# Altium PCB uTCA_MCH_PCB3.pcbdoc (part 23 of 25) (continued)
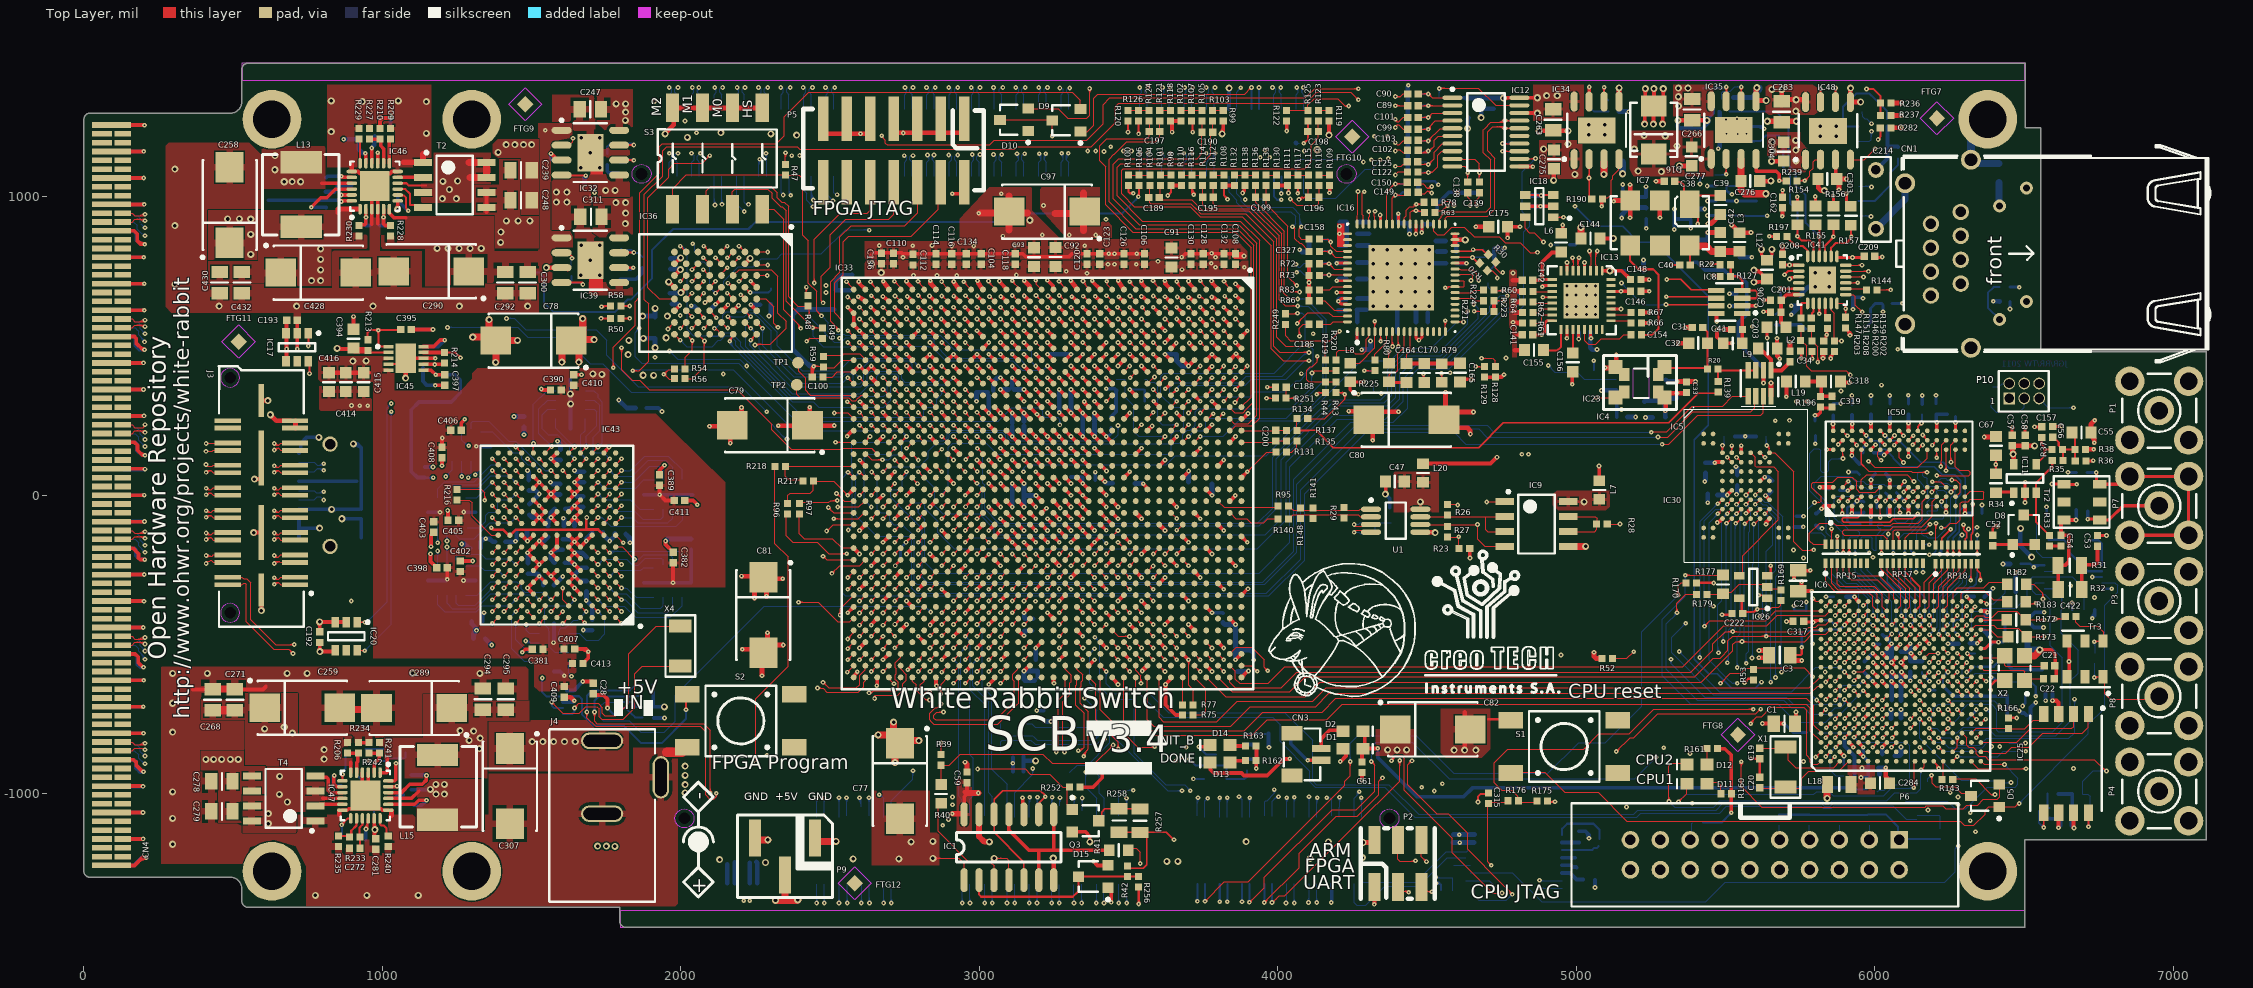
[diagram p0: Top Layer view]
## Nets (pads, with @x,y where several pads share a name; then routed paths per layer and width w, separated by ;. In a path a pad name is that pad's centre, name@x,y a point inside that pad or via, vN(x,y) a via of type N, cw(c..) or ccw(c..) an arc to the next point about the centre after c; other vN are vias at no path point) (continued)
  MidLayer3 w3.94: v1@3691.54,-844.13 3717.6,-870.2 4502.44,-870.2 4529.88,-897.64 5094.49,-897.64 5160.94,-964.09 5778.03,-964.09 ; v1@3692.91,-850.39 cw(c3692.91,-862.18) 3701.25,-853.85 ; v1@3698.82,-844.49 ccw(c3715.55,-844.49) 3703.72,-856.32 ; 5778.14,-963.99 6089.35,-963.99 6156,-897.34 6231.66,-897.34 6340.27,-788.73 v1(6340.27,-750.44) ; v1@6336.09,-754.62 cw(c6326.01,-764.7) 6340.27,-764.7 cw(c6354.53,-764.7) v1@6344.44,-754.62
SPI1.SPI1_SPCK: IC6.T6 IC33.AC18 | length 4525.5
  Top Layer w3.94: v1(2992.13,0) IC33.AC18@3011.81,19.69 ; v1@2992.13,5.91 ccw(c2992.13,20.16) 3002.21,10.08 ccw(c3012.29,0) v1@2998.03,0 ; v1@6276.3,-723.87 cw(c6276.3,-738.13) 6286.38,-728.05 cw(c6296.46,-717.97) v1@6282.2,-717.97 ; v1(6276.3,-717.97) IC6.T6@6292.05,-733.72
  MidLayer4 w3.94: v1@2986.22,0 cw(c2971.96,0) 2982.04,-10.08 cw(c2992.13,-20.16) v1@2992.13,-5.91 ; v1(2992.13,0) 2972,-20.13 2972,-50 2963,-59 2952.65,-59 2857.87,-153.78 2857.87,-208.87 2864,-215 3028.5,-215 3125.83,-312.32 3125.83,-446.57 ; 3125.59,-446.81 3125.59,-464.68 3164.49,-503.58 3164.49,-630.24 3465.35,-931.1 3698.82,-931.1 3753.94,-875.98 3966.54,-875.98 3988.19,-854.33 3988.19,-835.43 4006.89,-816.73 5263.73,-816.73 v1(5293,-846) ; v1@5287.09,-846 ccw(c5272.84,-846) 5282.92,-835.92 ccw(c5293,-825.84) v1@5293,-840.09
  MidLayer3 w3.94: v1(5293,-846) 5307.31,-831.69 5772.69,-831.69 5800,-859 5879,-859 5911,-827 5938,-827 5947,-818 5947,-774 5955,-766 6258,-766 6276.3,-747.7 v1(6276.3,-717.97) ; v1@5293,-840.09 ccw(c5293,-825.84) 5303.08,-835.92 ccw(c5313.16,-846) v1@5298.91,-846 ; v1@6272.12,-722.14 cw(c6262.04,-732.23) 6276.3,-732.23 cw(c6290.56,-732.23) v1@6280.48,-722.14
SPI_CS: IC6.U4 IC25.4 R166.1 | length 260
  Top Layer w3.94: IC6.U4@6323.54,-796.71 6338.95,-781.3 R166.1@6447.28,-781.3 ; R166.1@6447.28,-782.44 6502,-782.44 6529.99,-754.45 IC25.4@6565.59,-754.45
SPI_SCK: IC6.V3 IC25.2 | length 350.9
  Top Layer w3.94: IC6.V3@6356.52,-826.73 6475.38,-826.73 6521.93,-780.18 6660.19,-780.18 6665.59,-774.78 IC25.2@6665.59,-754.45
SPI_SI: IC6.V2 IC25.1 | length 426.1
  Top Layer w3.94: IC6.V2@6360.94,-857.73 6377.87,-857.73 6384.09,-863.95 6439.18,-863.95 6459.31,-843.82 6516.17,-843.82 6562.64,-797.35 6625.65,-797.35 6625.72,-797.42 6695.44,-797.42 6715.03,-777.83 IC25.1@6715.03,-744.14
SPI_SO: IC6.T4 P10.5 R1.2 R250.2 | length 2275.1
  Top Layer w3.94: IC6.T4@6292.05,-796.71 6307.66,-812.32 6307.66,-837.4 6313.9,-843.64 6329.06,-843.64 6339.78,-854.37 6339.78,-866.02 6348.72,-874.96 6370.3,-874.96 6380.63,-885.29 6735.54,-885.29 v1@6773.15,-922.9 ; 6762.35,-912.1 ccw(c6775.74,-898.7) v1@6775.74,-917.64 ; 6767.03,-916.78 cw(c6760.26,-923.55) v1@6769.83,-923.55 ; 6769.07,-918.82 ccw(c6775.74,-912.15) v1@6775.74,-921.58
  MidLayer1 w3.94: v1@6661.55,289.05 cw(c6651.47,278.97) 6665.73,278.97 cw(c6679.99,278.97) v1@6669.91,289.05 ; v1(6665.73,293.23) 6665.73,96.39 6770.45,-8.33 6770.45,-122.45 6763.2,-129.7 6763.2,-341.73 6784.33,-362.86 6784.33,-645.48 6775.74,-654.07 v1(6775.74,-923.55) ; v1@6771.56,-919.37 ccw(c6761.48,-909.29) 6775.74,-909.29 ccw(c6790,-909.29) v1@6779.92,-919.37
  Bottom Layer w3.94: P10.5@6550.35,324.36 6581.61,293.1 v1@6666.45,293.1 ; 6651.16,293.1 ccw(c6651.16,307.8) v1@6661.55,297.41 ; 6651.79,293.1 cw(c6651.79,279.29) v1@6661.55,289.05 ; R250.2@6721.59,-1041.35 6721.32,-1041.08 6721.32,-1009.22 6713.04,-1000.94 R1.2@6696.64,-1000.94 6696.64,-957.97 6731.71,-922.9 v1@6775.09,-922.9 ; 6759.91,-922.9 cw(c6759.91,-939.38) v1@6771.56,-927.73 ; 6763.05,-922.9 ccw(c6763.05,-910.86) v1@6771.56,-919.37
SYNC_CLK_N: IC16.25 R25.1 U1.4 | length 1275.8
  Top Layer w3.94: v1(4255.42,-123.97) 4255.42,-119.5 4256.85,-118.07 4306.43,-118.07 U1.4@4312.04,-123.68 ; IC16.25@4593.5,738.19 4610.24,738.19 4612.9,740.85 4646.84,740.85 4652.7,734.99 4652.7,722.33 4650.13,719.76 v1(4646.79,719.76)
  MidLayer3 w3.54: v1(4255.42,-123.97) 4247.72,-116.27 4209.01,-116.27 4187.07,-94.33 4187.07,-68.75 4515.02,259.2 4515.02,416.11 4591.21,492.3 4591.21,631.02 4654.96,694.77 4654.96,711.59 v1(4646.79,719.76)
  Bottom Layer w3.94: v1(4255.42,-123.97) 4271.78,-123.97 4277.01,-129.2 R25.1@4290.79,-129.2
SYNC_CLK_P: IC16.26 R24.1 U1.3 | length 1284
  Top Layer w3.94: v1(4255.42,-97.79) 4255.42,-102.27 4256.85,-103.7 4306.43,-103.7 U1.3@4312.04,-98.09 ; IC16.26@4593.5,757.87 4610.24,757.87 4612.9,755.22 4652.8,755.22 4667.07,740.94 4667.07,722.33 4669.64,719.76 v1(4672.98,719.76)
  MidLayer3 w3.54: v1(4255.42,-97.79) 4246.78,-106.43 4213.09,-106.43 4196.91,-90.25 4196.91,-72.83 4524.86,255.12 4524.86,412.03 4601.05,488.22 4601.05,626.94 4664.81,690.7 4664.81,711.59 v1(4672.98,719.76)
  Bottom Layer w3.94: v1(4255.42,-97.79) 4270.33,-97.79 4276.77,-91.35 R24.1@4290.55,-91.35
SYNC_DATA_N: R29.1 R95.2 R141.2 R148.1 U1.1 | length 283.7
  Top Layer w3.94: R95.2@4036.14,-36.23 4050.83,-50.93 4272.58,-50.93 4276.6,-46.9 U1.1@4312.04,-46.9
SYNC_DATA_P: R29.2 R140.2 R141.1 R148.2 U1.2 | length 285
  Top Layer w3.94: R140.2@4036.14,-79.99 4050.83,-65.3 4269.4,-65.3 4276.6,-72.49 U1.2@4312.04,-72.49
SYST_MON_N0: C200.1 IC33.A14 R135.1 | length 150.6
  Top Layer w3.94: IC33.A14@3877.95,177.17 C200.1@3992.13,177.17 ; C200.1@3993.11,182.09 R135.1@4029.53,182.09
SYST_MON_N1: C198.1 IC33.G10 R123.1 | length 2523.1
  Top Layer w3.94: v1@4100.15,446.61 ccw(c4090.07,436.53) 4090.07,450.79 ccw(c4090.07,465.04) v1@4100.15,454.96 ; v1(4104.32,450.79) 4017.72,450.79 3978.35,490.16 3978.35,835.38 3880.66,933.07 3739.44,933.07 3705.98,966.54 3519.55,966.54 3476.38,1009.71 3476.38,1088.3 3482.56,1094.49 4089.37,1094.49 4112.2,1117.32 4112.2,1173.23 4135.83,1196.85 4135.83,1242.13
  Top Layer w4.92: IC33.G10@3641.73,334.65 v1(3661.42,354.33) ; v1@3656,354.33 cw(c3642.93,354.33) 3652.18,345.09 cw(c3661.42,335.85) v1@3661.42,348.92
  Bottom Layer w3.94: v1(3661.42,354.33) 3661.42,360.24 3669.29,368.11 ; v1@3663.25,355.06 cw(c3670.85,358.09) 3665.06,363.88 ; v1@3666.9,356.52 cw(c3676.9,360.5) 3669.29,368.11 ; v1@4100.04,446.72 ccw(c4090.55,437.68) 4090.55,450.79 ; v1@4100.04,454.86 cw(c4090.55,463.89) 4090.55,450.79 ; v1(4104.32,450.79) 4090.55,450.79 ; 3669.29,368.11 3891.12,368.11 3911.14,388.13 4027.89,388.13 4090.55,450.79
SYST_MON_N2: C195.1 IC33.E14 R112.1 | length 1553.7
  Top Layer w3.94: IC33.E14@3720.47,177.17 v1(3740.16,196.85) ; v1@3734.25,196.85 cw(c3719.99,196.85) 3730.08,186.77 cw(c3740.16,176.69) v1@3740.16,190.94 ; R112.1@3783.46,1037.4 3783.46,976.38 3789.37,970.47 3904.17,970.47 ; 3904.27,970.57 3919.11,970.57 4013.78,875.9 4013.78,683.07 4039.37,657.48 v1(4066.93,657.48) ; v1@4062.75,653.3 ccw(c4052.67,643.22) 4052.67,657.48 ccw(c4052.67,671.74) v1@4062.75,661.66
  Bottom Layer w3.94: v1(3740.16,196.85) 3816.97,196.89 3869.09,249.02 4061.31,249.02 4161.42,349.13 4161.42,588.72 4092.66,657.48 v1(4066.93,657.48) ; v1@3744.33,192.67 cw(c3754.51,182.5) 3754.51,196.89 ; v1@3744.33,201.03 ccw(c3754.32,211.01) 3754.32,196.89 ; v1@4071.1,653.3 cw(c4081.19,643.22) 4081.19,657.48 cw(c4081.19,671.74) v1@4071.1,661.66
SYST_MON_N3: C189.1 IC33.F11 R101.1 | length 1599.8
  Top Layer w3.94: C189.1@3606.3,998.03 R101.1@3606.3,1037.4 ; C189.1@3608.27,989.77 3711.02,989.77 3748.03,952.76 3902.03,952.76 3996.06,858.73 3996.06,529.53 4025.59,500 v1@4102.36,500 ; IC33.F11@3681.1,295.28 v1(3700.79,314.96) ; v1@3694.88,314.96 cw(c3680.63,314.96) 3690.71,304.88 cw(c3700.79,294.8) v1@3700.79,309.06 ; 4085.32,500 ccw(c4085.32,520.98) v1@4100.15,506.14 ; v1@4100.15,497.79 ccw(c4094.83,492.46) 4094.83,500 ccw(c4094.83,511.47) v1@4102.94,503.36
  Bottom Layer w3.94: v1(3700.79,314.96) 3716.54,330.71 3906.75,330.71 3922.17,346.13 4023.63,346.13 4061.51,384.01 4074.75,384.01 4092.52,401.77 4092.52,409.45 4118.11,435.04 4118.11,488.19 v1(4104.33,501.97) ; v1@3700.79,320.87 ccw(c3700.79,335.12) 3710.87,325.04 ccw(c3720.95,314.96) v1@3706.69,314.96 ; v1@4104.33,496.06 cw(c4104.33,481.81) 4114.41,491.89 cw(c4124.49,501.97) v1@4110.24,501.97
SYST_MON_N4: C199.1 IC33.J12 R133.1 | length 1297
  Top Layer w3.94: IC33.J12@3562.99,255.91 v1@3582.68,275.59 ; 3571.19,264.11 ccw(c3557.74,277.56) v1@3576.76,277.56 ; 3575.96,268.87 cw(c3582.67,262.16) v1@3582.67,271.65 ; 3577.91,270.83 ccw(c3571.18,277.56) v1@3580.7,277.56 ; 3960.63,974.01 R133.1@3960.63,1037.4 ; 3960.72,974.43 4033.46,901.69 4033.46,732.28 v1(4062.99,702.76) ; v1@4057.09,702.76 ccw(c4042.83,702.76) 4052.91,712.84 ccw(c4062.99,722.92) v1@4062.99,708.66
  MidLayer4 w3.94: v1@3582.67,279.53 ccw(c3582.67,289.05) 3589.4,282.32 ; v1@3582.67,283.46 ccw(c3582.67,302.49) 3596.12,289.04 ; v1@3582.68,275.59 3604.76,297.68 3879.68,297.68 3918.38,336.38 3918.38,377.46 4031.5,490.58 4031.5,671.26 v1(4062.99,702.76) ; v1@3588.58,277.56 cw(c3598.06,277.56) 3591.35,284.27 ; v1@4057.09,702.76 cw(c4042.83,702.76) 4052.91,692.67 cw(c4062.99,682.59) v1@4062.99,696.85
  other v1: 3582.67,277.56
SYST_MON_N5: C197.1 IC33.B11 R121.1 | length 1558.2
  Top Layer w3.94: 3450.86,1141.73 3434.68,1125.55 3434.68,982.76 3523.94,893.5 3864.64,893.5 3919.78,838.36 3919.78,312.51 3894.68,287.41 3894.09,287.41 3883.37,276.7 3855.19,276.7 IC33.B11@3838.58,293.31 ; 3451.18,1141.73 3468.5,1159.05 ; 3468.5,1159.25 3494.29,1185.04 3588.58,1185.04 3604.33,1200.79 R121.1@3604.33,1242.13
SYST_MON_N6: C196.1 IC33.F13 R113.1 | length 1609
  Top Layer w3.94: IC33.F13@3681.1,216.54 v1(3700.79,236.22) ; v1@3694.88,236.22 cw(c3680.62,236.22) 3690.71,226.14 cw(c3700.79,216.06) v1@3700.79,230.31 ; v1@4041.54,986.27 cw(c4041.54,972.01) 4051.62,982.09 cw(c4061.7,992.17) v1@4047.44,992.17 ; v1(4041.54,992.17) 4062.88,970.83 4131.3,970.83 4137.44,976.97 C196.1@4137.44,989.49 ; C196.1@4137.8,998.03 R113.1@4137.8,1037.4
  MidLayer4 w3.94: v1@3694.88,236.22 ccw(c3680.62,236.22) 3690.71,246.3 ccw(c3700.79,256.38) v1@3700.79,242.13 ; v1(3700.79,236.22) 3686.46,250.55 3504.06,250.55 3479.33,275.28 3479.33,387.95 3588.03,496.65 3821.84,496.65 3866,540.82 3866,572 3878,584 3878,713 3866,725 3866,817.32 3997.18,948.5 3997.18,948.78 v1@4039.54,991.14 ; 4029.81,981.41 cw(c4041.54,969.69) v1@4041.54,986.27 ; 4032.13,983.73 ccw(c4023.69,992.17) v1@4035.63,992.17
SYST_MON_N7: C190.1 IC33.B13 R103.1 | length 1789.6
  Top Layer w3.94: C190.1@3775.08,1218.82 3775.08,1141.42 3744.32,1110.67 3472.95,1110.67 3461.67,1099.39 3461.67,1002.65 3546.21,918.11 3874.66,918.11 3938.98,853.79 3938.98,288.49 ; C190.1@3781.5,1216.54 3781.5,1242.13 ; IC33.B13@3838.58,216.54 3842.83,216.54 3858.6,232.31 3868.14,232.31 3887.74,232.28 3913.1,232.31 3938.98,258.19 3938.98,295.28
SYST_MON_P0: C200.2 IC33.A13 R137.1 | length 141.7
  Top Layer w3.94: IC33.A13@3881.89,216.54 C200.2@3988.19,216.54 ; C200.2@3993.11,217.52 R137.1@4028.54,217.52
SYST_MON_P1: C198.2 IC33.H10 R125.1 | length 1641
  Top Layer w3.94: v1@3582.09,348.43 cw(c3582.09,334.83) 3591.7,344.44 ; v1(3582.09,354.33) 3582.09,354.06 IC33.H10@3602.95,333.19 ; v1@3587.99,354.33 ccw(c3602.91,354.33) 3592.36,343.78
  Top Layer w6.89: v1@4086.61,1183.56 ccw(c4086.61,1199.02) 4097.54,1188.09 ; v1@4088.58,1179.13 4100.39,1190.95 R125.1@4100.39,1252.76
  MidLayer1 w3.94: v1@3576.18,354.33 cw(c3561.92,354.33) 3572.01,344.25 cw(c3582.09,334.17) v1@3582.09,348.43 ; v1(3582.09,354.33) 3562.76,335 3490,335 3478.35,346.65 3478.35,445.35 3490.48,457.48 3881.48,457.48 4035,611 4035,913 4111,989 4111,1154.74 v1(4086.61,1179.13) v1@4087.01,1179.53 ; v1@3582.09,354.61 v1@3584.69,354.61 ; v1@4086.61,1173.23 cw(c4086.61,1158.97) 4096.69,1169.05 cw(c4106.77,1179.13) v1@4092.51,1179.13
SYST_MON_P2: C195.2 IC33.F14 R114.1 | length 1612.3
  Top Layer w3.94: IC33.F14@3681.1,177.17 v1(3700.79,196.85) ; v1@3694.88,196.85 cw(c3680.63,196.85) 3690.71,186.77 cw(c3700.79,176.69) v1@3700.79,190.94 ; C195.2@3748.03,998.03 3748.03,972.44 3759.84,960.63 3912.69,960.63 4003.94,869.38 4003.94,655.51 4024.61,634.84 v1@4065.95,634.84 ; C195.2@3748.03,1000 R114.1@3748.03,1037.4 ; 4050.31,634.84 cw(c4050.31,617.24) v1@4062.75,629.68 ; 4055.04,634.84 ccw(c4055.04,645.75) v1@4062.75,638.03
  Bottom Layer w3.94: v1(3700.79,196.85) 3719.94,216 3749,216 3759,226 3759,249 3767.87,257.87 4027.77,257.87 4151.57,381.68 4151.57,478.49 ; v1@3700.79,202.76 ccw(c3700.79,217.01) 3710.87,206.93 ccw(c3720.95,196.85) v1@3706.69,196.85 ; v1(4066.93,633.86) 4102.36,633.86 4151.57,584.65 4151.57,478.49 ; v1@4071.1,629.68 cw(c4081.19,619.6) 4081.19,633.86 cw(c4081.19,648.12) v1@4071.1,638.03
SYST_MON_P3: C189.2 IC33.G11 R104.1 | length 1762.2
  Top Layer w3.94: R104.1@3570.87,1037.4 3570.87,980.31 3574.8,976.38 3708.66,976.38 3726.38,958.66 ; IC33.G11@3641.73,295.28 v1(3661.42,314.96) ; v1@3655.51,314.96 cw(c3641.25,314.96) 3651.34,304.88 cw(c3661.42,294.8) v1@3661.42,309.06 ; 3722.44,962.6 3742.13,942.91 3892.55,942.91 3986.22,849.24 3986.22,500 4006.4,479.82 v1@4102.85,479.82 ; 4086.51,479.82 cw(c4086.51,460.52) v1@4100.15,474.17 ; 4093.64,479.82 ccw(c4093.64,489.04) v1@4100.15,482.52 ; 4096.01,479.82 cw(c4096.01,470.03) v1@4102.94,476.95
  Bottom Layer w3.94: 3647.98,326.43 ccw(c3661.42,339.88) v1@3661.42,320.87 ; 3652.73,321.68 cw(c3646.01,314.96) v1@3655.51,314.96 ; 3654.7,319.71 ccw(c3661.42,326.43) v1@3661.42,316.93 ; v1@3657.48,316.93 3637.8,336.61 3637.8,360.24 3654.53,376.97 3872.86,376.97 3894.63,398.74 4014.88,398.74 4094.49,478.35 ; 4077.45,461.31 cw(c4104.33,434.42) v1@4104.33,472.44 ; 4084.17,468.03 cw(c4104.33,447.86) v1@4104.33,476.38 ; 4090.89,474.75 cw(c4104.33,461.31) v1@4104.33,480.31 ; v1@4099.12,475.57 ccw(c4094.49,473.1) 4094.49,478.35 ; v1@4099.12,481.13 cw(c4094.49,483.59) 4094.49,478.35 ; v1(4104.33,478.35) 4094.49,478.35
SYST_MON_P4: C199.2 IC33.H12 R136.1 | length 1301.6
  Top Layer w3.94: IC33.H12@3602.36,255.91 v1(3622.05,275.59) ; v1@3616.14,275.59 cw(c3601.88,275.59) 3611.97,265.51 cw(c3622.05,255.43) v1@3622.05,269.69 ; R136.1@3925.2,1037.4 C199.2@3925.2,998.03 3925.2,981.01 4021.65,884.56 4021.65,700.79 4041.34,681.1 v1(4072.83,681.1) ; v1@4068.66,676.93 ccw(c4058.58,666.85) 4058.58,681.1 ccw(c4058.58,695.36) v1@4068.66,685.28
  MidLayer4 w3.94: v1(3622.05,275.59) 3635.16,288.7 3890.03,288.7 3936.91,335.58 3936.91,373.44 4045.28,481.81 4045.28,655.56 v1@4070.81,681.1 ; v1@3622.05,281.5 ccw(c3622.05,295.75) 3632.13,285.67 ccw(c3642.21,275.59) v1@3627.95,275.59 ; 4059.3,669.59 cw(c4072.83,656.06) v1@4072.83,675.2 ; 4064.18,674.47 ccw(c4057.55,681.1) v1@4066.93,681.1 ; 4066.02,676.31 cw(c4072.83,669.5) v1@4072.83,679.13
SYST_MON_P5: C197.2 IC33.A11 R124.1 | length 1518.6
  Top Layer w3.94: 3403.35,1143.5 3403.35,1120.6 3423.03,1100.92 3423.03,972.64 3514.17,881.5 3859.32,881.5 3911.42,829.4 3911.42,329.13 IC33.A11@3877.95,295.67 ; 3403.71,1143.87 3403.71,1171.43 3427.17,1194.88 3562.99,1194.88 3568.9,1200.79 C197.2@3568.9,1208.66 ; C197.2@3568.9,1220.47 R124.1@3568.9,1251.97
SYST_MON_P6: C196.2 IC33.E13 R115.1 | length 1572
  Top Layer w3.94: IC33.E13@3720.47,216.54 v1@3740.15,236.21 ; IC33.E13@3726.72,222.78 cw(c3740.15,209.35) v1@3740.15,228.35 ; 3731.46,227.52 ccw(c3724.72,234.25) v1@3734.24,234.25 ; 3733.44,229.5 cw(c3740.15,222.8) v1@3740.15,232.28 ; v1@4069.67,992.58 cw(c4082.83,979.43) 4082.83,998.03 ; v1(4071.06,991.19) 4077.91,998.03 ; v1@4072.46,989.8 cw(c4092.33,969.92) C196.2@4092.33,998.03 ; v1@4072.87,996.81 ccw(c4074.39,1001.55) 4077.91,998.03 ; v1@4075.24,987.01 cw(c4101.84,960.42) C196.2@4101.84,998.03 ; v1@4076.69,993 cw(c4081.42,994.52) 4077.91,998.03 ; R115.1@4102.36,1037.4 C196.2@4102.36,998.03 4077.91,998.03
  MidLayer4 w3.94: v1@3734.24,234.25 ccw(c3719.99,234.25) 3730.07,244.33 ccw(c3740.15,254.41) v1@3740.15,240.16 ; v1(3740.15,234.25) 3712,262.4 3538.4,262.4 3518.7,282.1 3518.7,387.19 3618.4,486.89 3832.89,486.89 3842,496 3866,496 3878,508 3878,562 3894.69,578.69 3894.69,734.66 3921.08,761.05 3921.08,806.81 4053.87,939.6 4053.87,974 v1(4071.06,991.19) ; v1@4065.16,991.19 cw(c4050.9,991.19) 4060.98,981.11 cw(c4071.06,971.03) v1@4071.06,985.28
SYST_MON_P7: C190.2 IC33.B12 R105.1 | length 1763.7
  Top Layer w3.94: C190.2@3744.53,1209.29 3744.53,1143.35 3729.13,1127.95 3466.81,1127.95 3448.17,1109.31 3448.17,992.7 3535.4,905.47 3868.38,905.47 3929.13,844.72 3929.13,292.57 ; C190.2@3746.06,1219.1 R105.1@3746.06,1253.94 ; IC33.B12@3838.58,255.91 3854.33,240.16 3855.31,240.16 ; 3855.34,240.18 3871.4,240.18 ; 3871.43,240.16 3884.48,240.16 ; 3884.5,240.18 3900.62,240.18 3929.13,268.7 3929.13,301.18
TX_CLK: IC6.N6 R144.1 | length 2524.3
  Top Layer w3.94: R144.1@6006.93,687.99 v1(6053,688) ; 6038.72,687.99 ccw(c6038.72,702.28) v1@6048.82,692.18 ; 6038.76,687.99 cw(c6038.76,673.76) v1@6048.82,683.82 ; v1@6181.81,-723.87 cw(c6181.81,-738.13) 6191.89,-728.05 cw(c6201.97,-717.97) v1@6187.72,-717.97 ; v1(6181.81,-717.97) IC6.N6@6197.56,-733.72
  MidLayer1 w3.94: v1(6181.81,-717.97) 6227.09,-672.69 6268.43,-672.69 6286.14,-690.41 6501.59,-690.41 6544.88,-647.12 6729.84,-647.12 6766.51,-610.45 6766.51,-406.55 6709.98,-350.02 6709.98,-336.58 6676.32,-302.92 v1(6655.81,-302.92) ; v1@6181.81,-712.06 ccw(c6181.81,-697.81) 6191.89,-707.89 ccw(c6201.97,-717.97) v1@6187.72,-717.97
  MidLayer4 w3.94: v1@6048.82,683.82 cw(c6038.74,673.74) 6053,673.74 cw(c6067.26,673.74) v1@6057.18,683.82 ; v1(6053,688) 6053,547.02 6330.76,269.26 6529.66,269.26 6623.75,175.17 6623.75,-234.57 6655.81,-266.63 v1(6655.81,-302.92)
TX_EN: IC6.M6 IC41.16 | length 2866.8
  Top Layer w3.94: IC41.16@5902.56,731.23 v1(5962,731.23) ; v1@5957.82,727.05 ccw(c5947.74,716.97) 5947.74,731.23 ccw(c5947.74,745.48) v1@5957.82,735.4 ; v1@6150.31,-723.87 cw(c6150.31,-738.13) 6160.4,-728.05 cw(c6170.48,-717.97) v1@6156.22,-717.97 ; v1(6150.31,-717.97) IC6.M6@6166.06,-733.72
  MidLayer2 w3.94: v1@5962,725.32 cw(c5962,711.07) 5972.08,721.15 cw(c5982.16,731.23) v1@5967.91,731.23 ; v1(5962,731.23) 5995,698.23 5995,474 6047,422 6391,422 6409,440 6704,440 6774,370 6774,-81 6728,-127 6728,-165 6744,-181 6744,-334.61 ; v1@6735.91,-342.7 6744,-334.61 ; v1@6737.02,-336.87 ccw(c6738.3,-328.91) 6744,-334.61 ; v1@6741.88,-341.57 cw(c6749.47,-340.08) 6744,-334.61
  MidLayer3 w3.94: v1@6150.31,-723.87 cw(c6150.31,-738.13) 6160.4,-728.05 cw(c6170.48,-717.97) v1@6156.22,-717.97 ; v1(6150.31,-717.97) 6166.04,-733.69 6250.81,-733.69 6260.39,-724.11 6260.39,-701.46 6268.23,-693.62 6268.42,-693.62 6289.09,-672.95 6289.09,-649.25 6297.84,-640.5 ; 6298.35,-640.2 6485.4,-640.2 6593.05,-532.55 6593.05,-486.56 v1@6736.74,-342.87 ; 6725.41,-354.2 ccw(c6713.91,-342.7) v1@6730.17,-342.7 ; 6727.42,-352.19 cw(c6736.08,-360.86) v1@6736.08,-348.61
  other v1: 6736.08,-342.7
TXD0: IC41.17 R142.2 | length 3118
  Top Layer w3.94: IC41.17@5902.56,750.91 5978.09,750.91 v1(5979,750) ; 5962.54,750.91 cw(c5962.54,733.54) v1@5974.82,745.82 ; 5966.95,750.91 ccw(c5966.95,762.05) v1@5974.82,754.18
  MidLayer2 w3.94: v1@5979,744.09 cw(c5979,729.84) 5989.08,739.92 cw(c5999.16,750) v1@5984.91,750 ; v1(5979,750) 6014,715 6014,476 6055,435 6383.01,435 6401,452.99 6705.01,452.99 6785,373 6785,-86 6740,-131 6740,-158 6757,-175 6757,-974 6735,-996 6488.22,-996 v1@6456.02,-963.8 ; v1@6456.18,-968.46 cw(c6456.18,-979.31) 6463.85,-971.63 ; v1@6462.09,-962.55 ccw(c6479.75,-962.55) 6467.26,-975.04
  Bottom Layer w3.94: 6392.44,-956.16 R142.2@6355.04,-956.16 6411.11,-956.16 6418.15,-963.2 v1@6453.15,-963.2 ; 6440.35,-963.2 ccw(c6440.35,-946.72) v1@6452,-958.37 ; 6443.49,-963.2 cw(c6443.49,-975.24) v1@6452,-966.73
  other v1: 6456.18,-962.55
TXD1: IC41.18 R143.2 | length 3208.6
  Top Layer w3.94: IC41.18@5902.56,770.6 5956.6,770.6 v1(5957,771) ; 5941.77,770.6 ccw(c5941.77,786.23) v1@5952.82,775.18 ; 5943.71,770.6 cw(c5943.71,757.71) v1@5952.82,766.82 ; R143.2@6263.49,-950.21 6337.49,-950.21 6390.42,-1003.14 ; v1@6397.6,-999.44 cw(c6390.42,-994.32) 6390.42,-1003.14 ; v1@6397.86,-1006.64 ccw(c6390.42,-1012.81) 6390.42,-1003.14 ; v1@6401.46,-999.81 6398.13,-1003.14 6390.42,-1003.14
  MidLayer2 w3.94: v1(5957,771) 5976.1,771 6039.8,707.3 6039.8,484.2 6076,448 6377,448 6394.36,465.36 6709.64,465.36 6795,380 6795,-91 6751,-135 6751,-152 6772.28,-173.28 6772.28,-336.41 6795.07,-359.2 6795.07,-951.93 6740,-1007 6463,-1007 6459.14,-1003.14 6404.31,-1003.14 v1@6402.6,-1001.43 ; v1@6406.59,-1007.05 cw(c6416.02,-1016.48) 6416.02,-1003.14 ; v1@6406.59,-998.69 ccw(c6417.32,-987.96) 6417.32,-1003.14
  other v1: 6402.41,-1002.87
TXFD1_N: CN4.15 IC33.T34 | length 4029.9
  Top Layer w3.94: CN4.15@129.92,-826.77 161.41,-826.77 170.71,-836.07 199.31,-836.07 v1(204.72,-830.65) ; 177.4,-836.07 ccw(c177.4,-803.33) v1@200.55,-826.48 ; 186.9,-836.07 ccw(c186.9,-812.83) v1@203.33,-829.26 ; 196.41,-836.07 ccw(c196.41,-822.34) v1@206.12,-832.05 ; v1@3253.69,-856.06 ccw(c3228.28,-830.64) 3264.22,-830.64 ; v1@3256.48,-858.84 ccw(c3237.78,-840.15) 3264.22,-840.15 ; v1(3257.87,-860.23) 3264.22,-853.88 ; v1@3259.26,-861.63 ccw(c3247.29,-849.65) 3264.22,-849.65 ; v1@3260.05,-854.75 ccw(c3261.48,-851.14) 3264.22,-853.88 ; v1@3263.18,-860.24 v1@3263.18,-856.11 ; v1@3263.36,-858.06 cw(c3266.96,-856.63) 3264.22,-853.88 ; IC33.T34@3287.4,-610.24 3287.4,-663.38 3264.22,-686.56 3264.22,-853.88
  MidLayer4 w3.94: v1@206.12,-829.26 ccw(c218.6,-816.78) 218.6,-834.43 ; v1@208.5,-834.43 285.62,-834.43 413.79,-962.6 661.42,-962.6 866.14,-1167.32 1157.99,-1167.32 1227.32,-1098 1406.7,-1098 1560.2,-1251.5 2362.74,-1251.5 2537.97,-1076.27 2633.8,-1076.27 2690.81,-1019.26 2868.66,-1019.26 2868.71,-1019.31 2899.61,-1019.31 ; v1@208.9,-826.48 ccw(c228.11,-807.27) 228.11,-834.43 ; 2900.9,-1018.02 ccw(c2894.12,-1011.23) v1@2903.71,-1011.23 ; v1@2908.17,-1016.95 ccw(c2905.96,-1025.66) 2899.61,-1019.31 ; v1(2909.62,-1011.23) 2903.71,-1017.14 2901.78,-1017.14 2899.61,-1019.31
  MidLayer2 w3.94: v1(204.72,-830.65) v1@208.5,-834.43 ; v1@2909.62,-1009.26 ccw(c2909.62,-998.06) 2917.54,-1005.98 ; v1@2909.62,-1005.32 ccw(c2909.62,-984.62) 2924.26,-999.26 ; v1@2911.56,-1011.96 2992.42,-931.1 3200.35,-931.1 3257.87,-873.58 ; v1@2915.53,-1011.23 cw(c2923.34,-1011.23) 2917.81,-1005.71 ; v1@3253.9,-864.6 cw(c3245.74,-873.58) 3257.87,-873.58 ; v1(3257.87,-860.23) 3257.87,-873.58 ; v1@3261.84,-864.6 ccw(c3270,-873.58) 3257.87,-873.58
TXFD1_P: CN4.14 IC33.T33 | length 3861.4
  Top Layer w3.94: CN4.14@129.92,-856.3 161.41,-856.3 170.71,-847 199.31,-847 v1(204.72,-852.42) ; v1@3279.45,-858.06 ccw(c3275.85,-856.63) 3278.59,-853.88 3278.59,-692.51 3303.15,-667.95 3303.15,-628.92 3307.58,-624.49 3307.58,-602.86 3287.4,-582.68 IC33.T33@3287.4,-570.87
  MidLayer4 w3.94: v1@208.5,-848.64 279.74,-848.64 407.91,-976.8 655.53,-976.8 860.26,-1181.53 1163.88,-1181.53 1233.2,-1112.2 1400.82,-1112.2 1554.32,-1265.71 2368.62,-1265.71 2543.86,-1090.47 2639.68,-1090.47 2696.69,-1033.46 2862.78,-1033.46 2862.83,-1033.51 2900.79,-1033.51 2901.29,-1034.01 v1@2906.46,-1034.01
  MidLayer2 w3.94: 2917.95,-1034.01 2929.73,-1022.23 2929.73,-1015.15 2999.57,-945.31 3208.24,-945.31 3284.94,-868.6 v1(3284.94,-860.24)
  other v1: 2910.11,-1037.25
TXFD2_N: CN4.27 IC33.T29 | length 4038.7
  Top Layer w3.94: CN4.27@129.92,-472.44 161.41,-472.44 170.71,-481.74 199.31,-481.74 v1(204.72,-476.32) ; 177.4,-481.74 ccw(c177.4,-449) v1@200.55,-472.15 ; 186.9,-481.74 ccw(c186.9,-458.5) v1@203.33,-474.93 ; 196.41,-481.74 ccw(c196.41,-468.01) v1@206.12,-477.71 ; v1(3267.72,-433.07) IC33.T29@3287.4,-413.39 ; v1@3267.72,-427.17 ccw(c3267.72,-412.91) 3277.8,-422.99 ccw(c3287.88,-433.07) v1@3273.62,-433.07
  MidLayer2 w3.94: v1(204.72,-476.32) 208.5,-480.1 350.18,-480.1 867.69,-997.61 1070.84,-997.61 1128.15,-1054.92 1153.34,-1054.92 1180.2,-1081.77 1564.46,-1081.77 1625.13,-1142.44 1791.73,-1142.44 1802.89,-1153.6 2236.16,-1153.6 2417.32,-972.44 2832.56,-972.44 2990.04,-814.96 3131.89,-814.96 3222.83,-724.02 3222.83,-458.66 ; v1@206.12,-474.93 ccw(c218.6,-462.45) 218.6,-480.1 ; v1@208.9,-472.15 ccw(c228.11,-452.94) 228.11,-480.1 ; 3222.88,-457.91 3247.68,-433.11 v1@3265.87,-433.11 ; 3253.36,-433.11 ccw(c3253.36,-418.72) v1@3263.54,-428.9 ; 3253.55,-433.11 cw(c3253.55,-447.23) v1@3263.54,-437.25
TXFD2_P: CN4.26 IC33.T28 | length 4114
  Top Layer w3.94: CN4.26@129.92,-501.97 161.41,-501.97 170.71,-492.67 199.31,-492.67 v1(204.72,-498.09) ; 177.4,-492.67 cw(c177.4,-525.41) v1@200.55,-502.26 ; 186.9,-492.67 cw(c186.9,-515.91) v1@203.33,-499.48 ; 196.41,-492.67 cw(c196.41,-506.4) v1@206.12,-496.69 ; v1(3267.72,-393.7) IC33.T28@3287.4,-374.02 ; v1@3267.72,-387.8 ccw(c3267.72,-373.54) 3277.8,-383.62 ccw(c3287.88,-393.7) v1@3273.62,-393.7
  MidLayer2 w3.94: v1(204.72,-498.09) 208.5,-494.31 344.3,-494.31 861.8,-1011.81 1064.96,-1011.81 1122.27,-1069.12 1147.46,-1069.12 1174.31,-1095.98 1558.57,-1095.98 1619.24,-1156.65 1785.85,-1156.65 1797.01,-1167.81 2242.05,-1167.81 2423.21,-986.65 2838.44,-986.65 2995.92,-829.17 3137.77,-829.17 3237.09,-729.85 3237.09,-465.91 3252.6,-450.4 3276.04,-450.4 3285.61,-440.83 3285.61,-427.86 3267.41,-409.66 v1@3267.41,-395.01 ; v1@206.12,-499.48 cw(c218.6,-511.96) 218.6,-494.31 ; v1@208.9,-502.26 cw(c228.11,-521.47) 228.11,-494.31 ; v1@3263.54,-397.88 cw(c3254.2,-407.22) 3267.41,-407.22 ; 3267.41,-408.7 cw(c3282.71,-408.7) v1@3271.89,-397.88
TXFD3_N: CN4.39 IC33.U27 | length 4129.2
  Top Layer w3.94: CN4.39@129.92,-118.11 161.41,-118.11 170.71,-127.41 199.31,-127.41 v1(204.72,-121.99) ; 177.4,-127.41 ccw(c177.4,-94.67) v1@200.55,-117.82 ; 186.9,-127.41 ccw(c186.9,-104.17) v1@203.33,-120.6 ; 196.41,-127.41 ccw(c196.41,-113.68) v1@206.12,-123.38 ; v1(3228.35,-354.33) IC33.U27@3248.03,-334.65 ; v1@3228.35,-348.43 ccw(c3228.35,-334.17) 3238.43,-344.25 ccw(c3248.51,-354.33) v1@3234.25,-354.33
  MidLayer2 w3.94: v1(204.72,-121.99) 208.5,-125.77 352.55,-125.77 396.07,-169.29 445.08,-169.29 736.65,-460.86 736.65,-507.9 980.79,-752.04 1116.26,-752.04 1329.97,-965.75 1757.09,-965.75 1846.5,-1055.17 1984.24,-1055.17 1995.74,-1043.67 2027.89,-1043.67 2039.38,-1055.17 2204.35,-1055.17 2344.16,-915.35 2736.22,-915.35 2971.33,-680.24 3023.06,-680.24 3061.06,-642.24 3061.06,-638.21 3058.07,-635.22 3058.07,-624.62 3063.9,-618.79 3063.9,-609.61 ; v1@206.12,-120.6 ccw(c218.6,-108.12) 218.6,-125.77 ; v1@208.9,-117.82 ccw(c228.11,-98.61) 228.11,-125.77 ; 3063.66,-609.37 3063.66,-601.44 3058.07,-595.85 3058.07,-585.25 3064.44,-578.88 3064.44,-562.28 3060.43,-558.27 3060.43,-545.09 3064.64,-540.89 3064.64,-523.68 3058.07,-517.11 3058.07,-506.51 3065.57,-499.02 3076.17,-499.02 3079.59,-502.44 3094.81,-502.44 3101.38,-495.86 3110.44,-495.86 3121.06,-485.24 3138,-485.24 ; 3138.42,-484.81 3160.79,-484.81 ; 3161.22,-485.24 3168.31,-485.24 3182.65,-470.9 3182.65,-422.39 3201.5,-403.54 3201.5,-379.14 v1@3227.02,-353.62 ; 3214.79,-365.85 cw(c3228.35,-379.41) v1@3228.35,-360.24 ; 3219.71,-360.93 ccw(c3213.1,-354.33) v1@3222.44,-354.33 ; 3221.51,-359.13 cw(c3228.35,-365.97) v1@3228.35,-356.3